# Altium PCB PCBDesign.PcbDoc (part 8 of 8)
Units mm, origin at the board's own origin, x right, y up, seen from the top; angles counter-clockwise.
Board outline 95 x 70 mm, 10 copper layers (L1 (Sig), L2 (GND), L3 (Sig), L4 (GND), L5 (Sig), L6 (GND), L7 (Sig), L8 (GND), L9 (PWR), L10 (Sig)), stack 1.566 mm thick; 290 components, 365 nets, 1923 pads, 1420 vias.
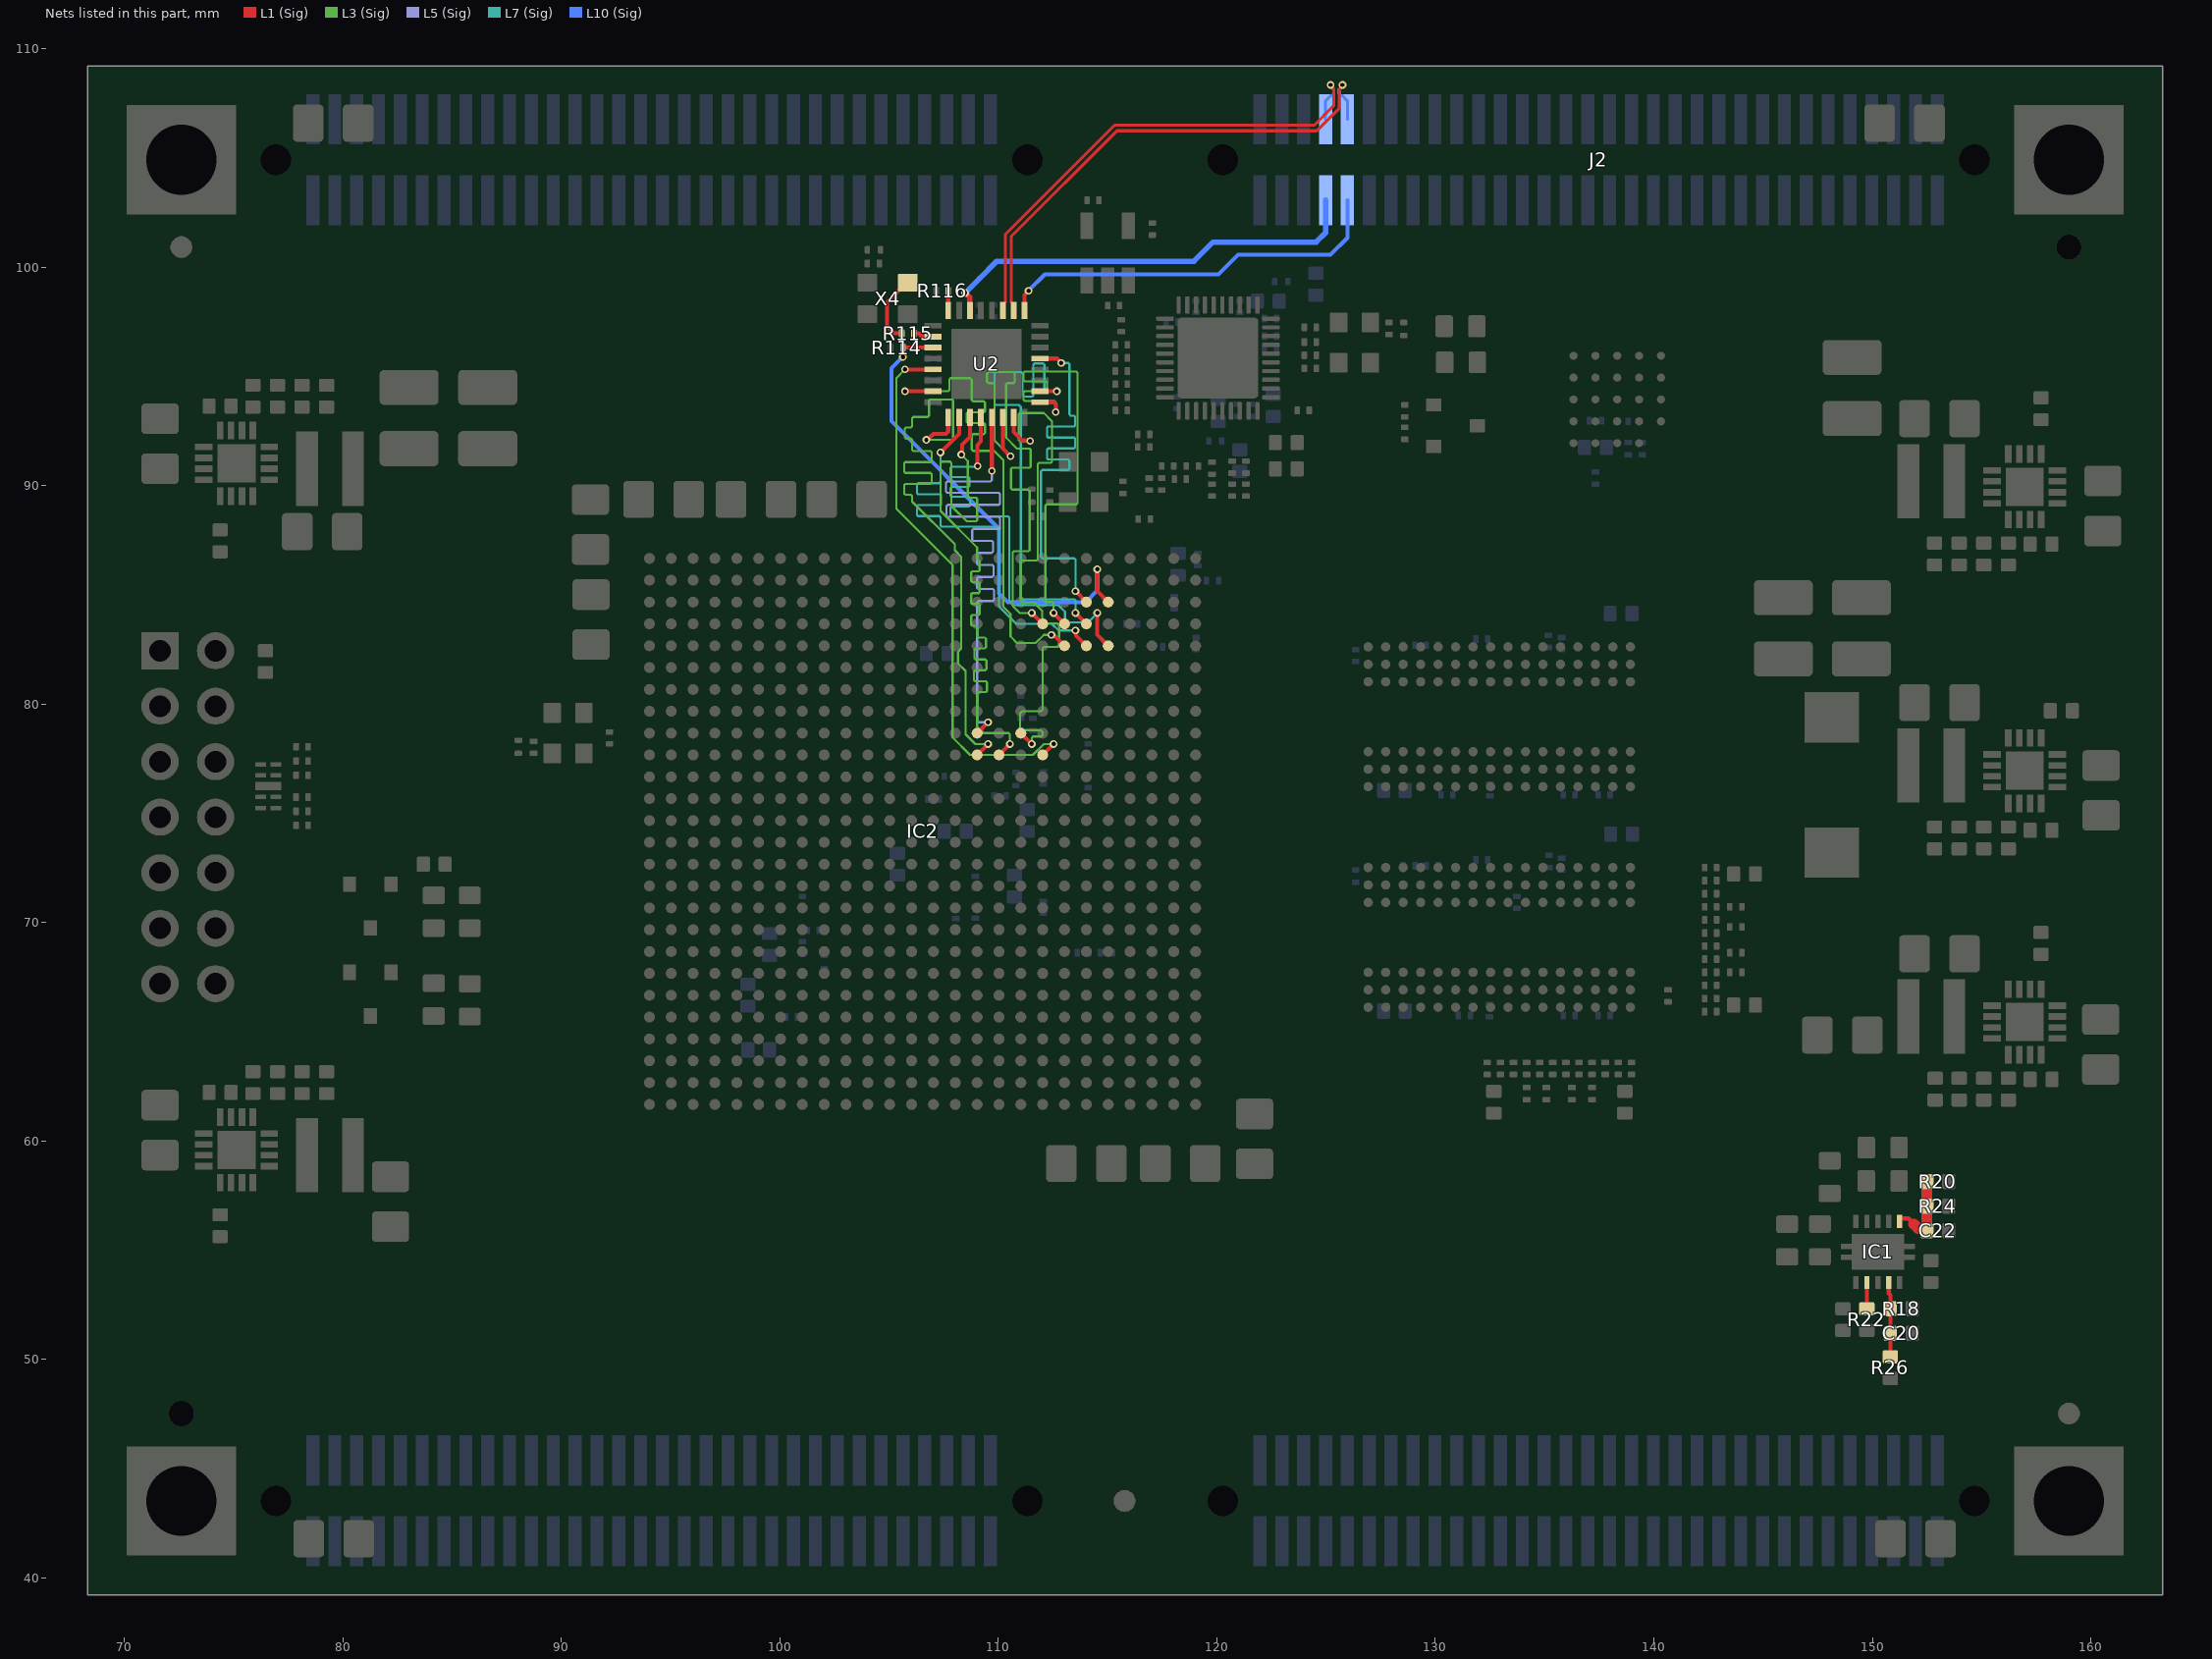
[diagram p16: the nets of this part, all layers, seen from the top]

## Via types
v1: diameter 0.35, hole 0.2, L1 (Sig) to L10 (Sig), tented both sides, 1046 vias
v2: diameter 0.45, hole 0.2, L1 (Sig) to L10 (Sig), tented both sides, 216 vias
v3: diameter 0.6, hole 0.3, L1 (Sig) to L10 (Sig), tented both sides, 95 vias
v4: diameter 0.8, hole 0.4, L1 (Sig) to L10 (Sig), tented both sides, 41 vias
v5: diameter 0.45, hole 0.3, L1 (Sig) to L10 (Sig), tented both sides, 22 vias

## Nets (pads, with @x,y where several pads share a name; then routed paths per layer and width w, separated by ;. In a path a pad name is that pad's centre, name@x,y a point inside that pad or via, vN(x,y) a via of type N, cw(c..) or ccw(c..) an arc to the next point about the centre after c; other vN are vias at no path point) (continued)
USB_CLK: IC2.K16 U2.1 | length 30.2
  L1 (Sig) w0.185: v1(106.7,92.1) 106.745,92.1 107.026,92.382 107.592,92.382 107.7,92.49 U2.1@107.7,93.125 ; IC2.K16@109.025,77.675 v1(109.525,78.175)
  L3 (Sig) w0.1: v1(106.7,92.1) 107.866,92.1 107.925,92.159 107.925,93.891 107.866,93.95 106.884,93.95 106.825,93.891 106.825,93.209 106.766,93.15 106.109,93.15 106.05,93.091 106.05,92.959 106.05,92.72 105.991,92.661 105.761,92.661 105.711,92.611 105.711,92.211 105.761,92.161 105.991,92.161 106.05,92.103 106.05,92.053 106.05,91.85 106.05,91.642 106.109,91.584 106.894,91.584 106.944,91.534 106.944,91.134 106.894,91.084 105.74,91.084 105.69,91.034 105.69,90.634 105.74,90.584 106.894,90.584 106.944,90.534 106.944,90.134 106.894,90.084 105.74,90.084 105.69,90.034 105.69,89.634 105.74,89.584 105.991,89.584 106.05,89.525 106.05,89.475 106.05,89.275 108,87.325 108,87.05 108.3,86.75 108.3,82.55 108.15,82.4 108.15,81.875 108.5,81.525 108.5,78.625 108.95,78.175 v1(109.525,78.175)
USB_CPEN: J2.55 U2.17 | length 18.3
  L1 (Sig) w0.185: U2.17@111.2,98.025 111.2,98.734 111.375,98.909 v1(111.375,98.925)
  L10 (Sig) w0.185: v1(111.375,98.925) 112.125,99.675 120.075,99.675 120.975,100.575 125.2,100.575 125.975,101.35 J2.55@125.975,103.075
USB_DATA0: IC2.K17 U2.3 | length 29.5
  L1 (Sig) w0.185: v1(108.3,91.425) 108.332,91.457 108.332,91.876 108.7,92.245 U2.3@108.7,93.125 ; IC2.K17@110.025,77.675 v1(110.525,78.175)
  L3 (Sig) w0.1: v1(108.3,91.425) 108.6,91.125 108.6,89.509 108.659,89.45 108.966,89.45 109.025,89.391 109.025,88.434 108.966,88.375 108.55,88.375 107.85,89.075 107.85,91.041 107.791,91.1 107.409,91.1 107.35,91.041 107.35,88.85 109.025,87.175 109.025,87.125 109.025,86.642 109.084,86.584 109.093,86.584 109.143,86.534 109.143,86.134 109.093,86.084 108.803,86.084 108.753,86.034 108.753,85.634 108.803,85.584 109.093,85.584 109.143,85.534 109.143,85.134 109.093,85.084 108.803,85.084 108.753,85.034 108.753,84.634 108.803,84.584 109.093,84.584 109.143,84.534 109.143,84.134 109.093,84.084 108.803,84.084 108.753,84.034 108.753,83.634 108.803,83.584 108.966,83.584 109.025,83.525 109.025,83.475 109.025,83.109 109.084,83.05 109.366,83.05 109.425,82.991 109.425,82.609 109.366,82.55 108.959,82.55 108.9,82.491 108.9,82.109 108.959,82.05 109.391,82.05 109.45,81.991 109.45,81.609 109.391,81.55 108.934,81.55 108.875,81.491 108.875,81.109 108.934,81.05 109.416,81.05 109.475,80.991 109.475,80.609 109.416,80.55 109.084,80.55 109.025,80.491 109.025,78.975 109.325,78.675 110.466,78.675 110.525,78.616 v1(110.525,78.175)
USB_DATA1: IC2.E22 U2.4 | length 22.1
  L1 (Sig) w0.185: v1(109.05,90.9) 109.032,90.918 109.032,91.864 109.2,92.033 U2.4@109.2,93.125 ; v1(114.525,84.175) 114.525,83.175 IC2.E22@115.025,82.675
  L7 (Sig) w0.1: v1(109.05,90.9) 109.023,90.873 107.859,90.873 107.8,90.814 107.8,90.459 107.859,90.4 108.616,90.4 108.675,90.341 108.675,90.009 108.616,89.95 107.859,89.95 107.8,89.891 107.8,89.559 107.859,89.5 108.641,89.5 108.7,89.441 108.7,89.109 108.641,89.05 107.859,89.05 107.8,88.991 107.8,88.659 107.859,88.6 110.441,88.6 110.5,88.541 110.5,84.7 110.673,84.527 112.748,84.527 113.05,84.225 113.05,83.875 113.175,83.75 114.1,83.75 v1(114.525,84.175)
USB_DATA2: IC2.J16 U2.5 | length 29.8
  L1 (Sig) w0.185: IC2.J16@109.025,78.675 v1(109.525,79.175) ; v1(109.7,90.675) U2.5@109.7,93.125
  L5 (Sig) w0.1: v1(109.525,79.175) 109.084,79.175 109.025,79.234 109.025,84.666 109.084,84.725 109.741,84.725 109.8,84.784 109.8,85.216 109.741,85.275 109.084,85.275 109.025,85.334 109.025,85.766 109.084,85.825 109.716,85.825 109.775,85.884 109.775,86.316 109.716,86.375 109.084,86.375 109.025,86.434 109.025,86.866 109.084,86.925 109.691,86.925 109.75,86.984 109.75,87.416 109.691,87.475 108.859,87.475 108.8,87.534 108.8,87.966 108.809,87.975 108.859,88.025 110.016,88.025 110.075,88.084 110.075,88.516 110.016,88.575 107.684,88.575 107.625,88.634 107.625,89.066 107.684,89.125 110.016,89.125 110.075,89.184 110.075,89.616 110.016,89.675 107.659,89.675 107.6,89.734 107.6,90.141 107.659,90.2 109.641,90.2 109.7,90.259 v1(109.7,90.675)
USB_DATA3: IC2.D19 U2.6 | length 23.4
  L1 (Sig) w0.185: U2.6@110.2,93.125 110.2,91.7 v1(110.55,91.35) ; v1(111.525,84.175) IC2.D19@112.025,83.675
  L3 (Sig) w0.1: v1(110.55,91.35) 109.825,92.075 109.825,94.641 109.766,94.7 109.534,94.7 109.475,94.759 109.475,95.141 109.534,95.2 110.691,95.2 110.75,95.141 110.75,94.759 110.691,94.7 110.409,94.7 110.35,94.641 110.35,92.2 110.85,91.7 111.416,91.7 111.475,91.641 111.475,90.884 111.416,90.825 110.634,90.825 110.575,90.766 110.575,89.884 110.634,89.825 111.366,89.825 111.425,89.766 111.425,87.059 111.366,87 110.709,87 110.65,86.941 110.65,84.5 110.975,84.175 v1(111.525,84.175)
USB_DATA4: IC2.J18 U2.7 | length 26.1
  L1 (Sig) w0.185: U2.7@110.7,93.125 110.7,92.458 111.075,92.084 111.418,92.084 v1(111.45,92.052) ; IC2.J18@111.025,78.675 v1(111.525,78.175)
  L3 (Sig) w0.1: v1(111.45,92.052) 111.448,92.05 110.984,92.05 110.925,92.109 110.925,93.266 110.984,93.325 112.075,93.325 112.45,92.95 112.45,91.109 112.391,91.05 111.859,91.05 111.8,90.991 111.8,87.975 111.8,86.634 111.741,86.575 111.084,86.575 111.025,86.516 111.025,84.709 111.084,84.65 111.625,84.65 112,84.275 112,83.759 112.059,83.7 112.675,83.7 112.777,83.598 112.777,82.702 112.7,82.625 112.084,82.625 112.025,82.566 112.025,79.898 112.025,79.759 111.939,79.673 111.082,79.673 110.996,79.587 110.996,78.897 111.082,78.811 111.939,78.811 112.025,78.725 112.025,78.675 112.025,78.584 111.966,78.525 111.584,78.525 111.525,78.466 v1(111.525,78.175)
USB_DATA5: IC2.D20 U2.9 | length 22.3
  L1 (Sig) w0.185: U2.9@111.9,93.825 112.517,93.825 112.625,93.717 v1(112.625,93.375) ; v1(112.525,84.175) IC2.D20@113.025,83.675
  L3 (Sig) w0.1: v1(112.525,84.175) 112.525,84.616 112.466,84.675 112.209,84.675 112.15,84.734 112.15,89.091 112.209,89.15 113.566,89.15 113.625,89.209 113.625,95.166 113.566,95.225 111.209,95.225 111.15,95.166 111.15,94.834 111.209,94.775 112.166,94.775 112.225,94.716 112.225,94.384 112.166,94.325 111.209,94.325 111.15,94.266 111.15,93.934 111.209,93.875 112.566,93.875 112.625,93.816 v1(112.625,93.375)
USB_DATA6: IC2.D21 U2.10 | length 22.6
  L1 (Sig) w0.185: U2.10@111.9,94.325 v1(112.675,94.325) ; v1(113.525,84.175) IC2.D21@114.025,83.675
  L7 (Sig) w0.1: v1(112.675,94.325) 112.159,94.325 112.1,94.384 112.1,95.541 112.041,95.6 111.659,95.6 111.6,95.541 111.6,94.134 111.541,94.075 111.159,94.075 111.1,94.134 111.1,95.141 111.041,95.2 109.884,95.2 109.825,95.141 109.825,93.759 109.884,93.7 110.925,93.7 111.025,93.6 111.025,84.859 111.084,84.8 113.466,84.8 113.525,84.741 v1(113.525,84.175)
USB_DATA7: IC2.C21 U2.13 | length 20.1
  L1 (Sig) w0.185: U2.13@111.9,95.825 112.675,95.825 v1(112.875,95.625) ; v1(113.525,85.175) IC2.C21@114.025,84.675
  L7 (Sig) w0.1: v1(112.875,95.625) 113.191,95.625 113.25,95.566 113.25,93.337 113.25,93.267 113.309,93.209 113.455,93.209 113.505,93.159 113.505,92.759 113.455,92.709 112.272,92.709 112.222,92.659 112.222,92.259 112.272,92.209 113.455,92.209 113.505,92.159 113.505,91.759 113.455,91.709 112.272,91.709 112.222,91.659 112.222,91.259 112.272,91.209 113.191,91.209 113.25,91.15 113.25,91.1 113.25,90.784 113.191,90.725 112.009,90.725 111.95,90.666 111.95,86.734 112.009,86.675 113.466,86.675 113.525,86.616 v1(113.525,85.175)
USB_DIR: IC2.E20 U2.31 | length 23.5
  L1 (Sig) w0.185: v1(105.725,94.325) U2.31@107,94.325 ; v1(112.425,83.175) 112.457,83.143 112.557,83.143 IC2.E20@113.025,82.675
  L3 (Sig) w0.1: v1(105.725,94.325) 107.691,94.325 107.75,94.384 107.75,94.866 107.809,94.925 108.716,94.925 108.775,94.866 108.775,93.975 108.775,93.925 108.834,93.866 109.334,93.866 109.384,93.816 109.384,93.416 109.334,93.366 108.605,93.366 108.555,93.316 108.555,92.916 108.605,92.866 109.334,92.866 109.384,92.816 109.384,92.416 109.334,92.366 108.834,92.366 108.775,92.308 108.775,92.1 108.775,91.659 108.834,91.6 109.8,91.6 110.225,91.175 110.225,84.45 110.55,84.125 110.55,83.1 110.85,82.8 111.7,82.8 112.075,83.175 v1(112.425,83.175)
USB_HS_CK_OUT: R115.1 X4.3 | length 3.2
  L1 (Sig) w0.185: R115.1@105.575,96.975 105.225,96.975 104.9,97.3 104.9,98.4 105.8,99.3 X4.3@105.85,99.3
USB_HS_D_N: J2.58 U2.19 | length 23.8
  L1 (Sig) w0.14: U2.19@110.2,98.025 110.2,98.295 110.32,98.415 110.32,101.513 115.317,106.51 124.46,106.51 125.345,107.395 125.345,108.163 125.2,108.308 v1(125.2,108.35)
  L10 (Sig) w0.14: J2.58@124.975,106.775 124.975,107.625 125.205,107.855 125.263,107.855 125.345,107.937 125.345,108.163 125.2,108.308 v1(125.2,108.35)
USB_HS_D_P: J2.56 U2.18 | length 23.8
  L1 (Sig) w0.14: U2.18@110.7,98.025 110.7,98.295 110.58,98.415 110.58,101.405 115.425,106.25 124.568,106.25 125.605,107.287 125.605,108.163 125.75,108.308 v1(125.75,108.35)
  L10 (Sig) w0.14: v1(125.75,108.35) 125.75,108.308 125.605,108.163 125.605,107.937 125.687,107.855 125.745,107.855 125.975,107.625 J2.56@125.975,106.775
USB_NRST: IC2.C22 R114.2 U2.27 | length 22.4
  L1 (Sig) w0.185: v1(105.625,95.9) R114.2@105.625,96.325 U2.27@107,96.325 ; v1(114.525,86.175) 114.525,85.175 IC2.C22@115.025,84.675
  L10 (Sig) w0.185: v1(105.625,95.9) 105.1,95.375 105.1,92.95 110.025,88.025 110.025,85.075 110.425,84.675 114,84.675 114.525,85.2 v1(114.525,86.175)
USB_NXT: IC2.E21 U2.2 | length 20.6
  L1 (Sig) w0.185: v1(107.35,91.525) 108.2,92.375 U2.2@108.2,93.125 ; v1(113.525,83.375) 113.557,83.343 113.557,83.143 IC2.E21@114.025,82.675
  L7 (Sig) w0.1: v1(107.35,91.525) 107.35,90.35 107.35,90.169 107.291,90.11 106.322,90.11 106.272,90.06 106.272,89.66 106.322,89.61 107.324,89.61 107.374,89.56 107.374,89.16 107.324,89.11 106.322,89.11 106.272,89.06 106.272,88.66 106.322,88.61 107.291,88.61 107.35,88.552 107.35,88.502 107.35,88.184 107.409,88.125 109.966,88.125 110.025,88.066 110.025,87.975 110.025,84.475 110.825,83.675 112.45,83.675 112.75,83.375 v1(113.525,83.375)
USB_PHY_RBIAS: R116.2 U2.24 | length 0.9
  L1 (Sig) w0.185: U2.24@107.7,98.025 R116.2@107.7,98.925
USB_PHY_VBUS: J2.57 U2.22 | length 20
  L1 (Sig) w0.25: v1(108.475,98.825) 108.499,98.825 108.695,98.629 108.695,98.03 U2.22@108.7,98.025
  L10 (Sig) w0.25: v1(108.475,98.825) 109.15,99.5 109.925,100.275 118.95,100.275 119.825,101.15 124.55,101.15 124.975,101.575 J2.57@124.975,103.075
USB_REFCLK_13M: R115.2 U2.26 | length 0.9
  L1 (Sig) w0.185: R115.2@106.125,96.975 106.35,96.975 106.475,96.85 106.975,96.85 U2.26@107,96.825
USB_STP: IC2.K19 U2.29 | length 25.2
  L1 (Sig) w0.185: v1(105.725,95.325) U2.29@107,95.325 ; IC2.K19@112.025,77.675 v1(112.525,78.175)
  L3 (Sig) w0.1: v1(105.725,95.325) 105.325,94.925 105.325,88.95 106.3,87.975 107.9,86.375 107.9,78.475 108.7,77.675 111.575,77.675 112.075,78.175 v1(112.525,78.175)
VTT_DIVID: C22.2 IC1.1 R20.1 R24.2 | length 3.9
  L1 (Sig) w0.2: IC1.1@151.25,56.325 151.25,56.43 151.27,56.45 151.65,56.45 151.9,56.2
  L1 (Sig) w0.5: 151.9,56.2 152.1,56 152.45,56 C22.2@152.5,55.95 ; R20.1@152.5,58.15 R24.2@152.5,57.025 C22.2@152.5,55.95 ; C22.2@152.5,55.95 C22.2@152.5,55.9 C22.2@152.5,55.95
VTT_EN: IC1.7 R22.2 | length 1.2
  L1 (Sig) w0.185: R22.2@149.75,52.325 IC1.7@149.75,53.525
VTT_PG: C20.2 IC1.9 R18.1 R26.2 | length 3.1
  L1 (Sig) w0.185: IC1.9@150.75,53.525 150.75,53.025 150.825,52.95 R18.1@150.825,52.325 C20.2@150.825,51.2 150.825,50.45
pads on no net: B1.9 B2.9 B3.9 B4.9 B5.9 IC2.A5 IC2.A12 IC2.A13 IC2.A14 IC2.A15 IC2.A17 IC2.A18 IC2.A23 IC2.A25 IC2.AA5 IC2.AA6 IC2.AA15 IC2.AA19 IC2.AA20 IC2.AA22 IC2.AA23 IC2.AA24 IC2.AA25 IC2.AB10 IC2.AB20 IC2.AB21 IC2.AB22 IC2.AB24 IC2.AB25 IC2.AB26 IC2.AC1 IC2.AC2 IC2.AC5 IC2.AC6 IC2.AC21 IC2.AC22 IC2.AC23 IC2.AC24 IC2.AC26 IC2.AD3 IC2.AD4 IC2.AD7 IC2.AD8 IC2.AD10 IC2.AE1 IC2.AE2 IC2.AE5 IC2.AE6 IC2.AF3 IC2.AF4 IC2.AF7 IC2.AF8 IC2.B6 IC2.B12 IC2.B14 IC2.B15 IC2.B16 IC2.B17 IC2.B19 IC2.B20 IC2.B21 IC2.B22 IC2.B25 IC2.B26 IC2.C12 IC2.C14 IC2.C16 IC2.C17 IC2.C18 IC2.C24 IC2.D3 IC2.D4 IC2.D10 IC2.D11 IC2.D14 IC2.D15 IC2.D16 IC2.D18 IC2.D23 IC2.D24 IC2.E7 IC2.E10 IC2.E11 IC2.E12 IC2.E13 IC2.E15 IC2.E16 IC2.E17 IC2.E18 IC2.F4 IC2.F8 IC2.F10 IC2.F12 IC2.F13 IC2.F14 IC2.F15 IC2.G1 IC2.G4 IC2.G5 IC2.G6 IC2.G10 IC2.G11 IC2.G12 IC2.G14 IC2.G15 IC2.G16 IC2.H1 IC2.H2 IC2.H3 IC2.H4 IC2.H6 IC2.H7 IC2.H8 IC2.H11 IC2.H12 IC2.H13 IC2.H14 IC2.H16 IC2.J1 IC2.J3 IC2.J5 IC2.J6 IC2.J8 IC2.J9 IC2.J10 IC2.J11 IC2.J13 IC2.J14 IC2.J15 IC2.K1 IC2.K2 IC2.K3 IC2.K5 IC2.K6 IC2.K7 IC2.K8 IC2.K10 IC2.K11 IC2.K12 IC2.K13 IC2.K15 IC2.L2 IC2.L3 IC2.L4 IC2.L5 IC2.L7 IC2.L8 IC2.L9 IC2.M1 IC2.M2 IC2.M4 IC2.M5 IC2.M6 IC2.M7 IC2.M8 IC2.N1 IC2.N2 IC2.N3 IC2.N4 IC2.N6 IC2.N7 IC2.N8 IC2.V18 IC2.V19 IC2.W5 IC2.W6 IC2.W13 IC2.W14 IC2.W15 IC2.W16 IC2.W18 IC2.W19 IC2.W20 IC2.Y15 IC2.Y16 IC2.Y17 IC2.Y18 IC2.Y20 IC3.A2 IC3.A3 IC3.A5 IC3.B1 IC3.B5 IC3.C1 IC3.C3 IC3.C5 IC3.D1 IC3.D5 IC3.E1 IC3.E2 IC3.E3 IC3.E4 IC3.E5 IC4.1 IC5.J1 IC5.J9 IC5.L1 IC5.L9 IC5.M7 IC6.J1 IC6.J9 IC6.L1 IC6.L9 IC6.M7 J1.12 J1.14 J2.9 J2.10 J2.11 J2.12 J2.13 J2.14 J2.15 J2.16 J2.17 J2.18 J2.19 J2.20 J2.21 J2.22 J2.23 J2.24 J2.25 J2.26 J2.27 J2.28 J2.29 J2.MH1 J2.MH2 J3.53 J3.55 J3.57 J3.MH1 J3.MH2 J4.MH1 J4.MH2 J5.MH1 J5.MH2 U2.12 U2.15 U2.16 U2.23 U2.25

## Polygon pours and split planes (outlines as drawn)
+3V3 on L9 (PWR) "+3V3_L09_P090" (solid, remove dead copper, pour order 90): 127.75,89.225 125.725,87.2 122.75,87.2 118.625,83.075 116.175,83.075 115.4,83.85 115.4,88.7 115.675,88.975 117.15,88.975 118.6,87.525 121.775,87.525 123.075,88.825 123.075,91.575 122.525,92.125 121.7,92.125 121.575,92.25 121.575,92.625 121.675,92.725 122.525,92.725 123.75,91.5 123.75,90.45 124.075,90.125 125.575,90.125 129.075,93.625 129.075,97.15 127.9,98.325 125.3,98.325 125.05,98.575 125.05,99.6 124.475,100.175 123,100.175 122.375,100.8 113.55,100.8 111.1,98.35 107.975,98.35 107.525,98.8 107.525,101.125 107.825,101.425 111.6,101.425 113.1,102.925 113.1,105.275 113.3,105.475 118.05,105.475 118.225,105.3 118.225,103.15 119.825,101.55 126.875,101.55 130.25,98.175 142.45,98.175 148.275,92.35 155.2,92.35 155.55,92 155.55,89.25 156.275,88.525 158.4,88.525 158.65,88.275 158.65,53.075 152.6,47.025 85.7,47.025 78.05,54.675 78.05,61.2 79.825,62.975 79.825,64.85 76.9,67.775 76.9,83.2 77.4,83.7 82.95,83.7 85.15,81.5 85.15,75.7 86.7,74.15 86.7,64.425 83.825,61.55 81.025,61.55 80.375,60.9 80.375,57.85 81.075,57.15 99.075,57.15 100.375,58.45 100.375,61.925 100.6,62.15 101.75,62.15 102,62.4 102,67.95 101.775,68.175 100.775,68.175 100.1,68.85 100.1,71.146 100.354,71.4 101.55,71.4 101.75,71.2 101.75,69.8 102.15,69.4 107.425,69.4 107.775,69.05 108.425,68.4 112.05,68.4 113.7,66.75 120.05,66.75 130.425,56.375 140.825,56.375 145.375,51.825 151.75,51.825 152.175,52.25 152.175,53.5 152.5,53.825 154.075,53.825 156,55.75 156,62.25 153.625,64.625 153.625,69.25 152.425,70.45 152.425,85.975 150.975,87.425 149.525,87.425 147.725,89.225
+1V35DDR on L9 (PWR) "+1V35DDR_L09_P084" (solid, pour order 84): 148,62.625 151.875,58.75 153.85,58.75 155.4,60.3 155.4,62 153.025,64.375 153.025,68.9 152.5,69.425 146.8,69.425 143.05,73.175 143.05,80.375 139.725,83.7 125.5,83.7 122.175,80.375 116.475,80.375 113.275,77.175 113.275,68.15 113.925,67.5 120.325,67.5 125.2,62.625
+5V0 on L9 (PWR) "+5V0_L09_P082" (solid, pour order 82): 111.35,101.925 112.6,103.175 112.6,105.45 113.125,105.975 118.2,105.975 118.725,105.45 118.725,103.176 119.83,102.05 152.05,102.05 159.15,94.95 159.15,52.75 154.975,48.575 152.925,46.525 81.25,46.525 78.275,49.5 72.5,55.275 72.5,64.85 72.1,65.25 68.6,65.25 68.6,46.325 75.4,46.325 75.4,39.525 156.2,39.525 156.2,46.325 163,46.325 163,102.125 156.2,102.125 156.2,102.625 156.2,103.925 156.2,108.925 75.4,108.925 75.4,102.125 68.6,102.125 68.6,85.525 72.05,85.525 72.5,85.975 72.5,93.675 80.75,101.925
GND on L9 (PWR) "GND_L09_P099" (solid, pour order 99): 73,55.5 73,65.075 72.225,65.85 68.6,65.85 68.6,85.025 72.4,85.025 73,85.625 73,93.4 75.325,95.725 76,95.725 76.125,95.6 76.125,91 80.575,86.55 87.925,86.55 89.125,85.35 89.125,81.175 87.175,79.225 87.175,76.425 92.3,71.3 92.3,70.025 88.075,65.8 87.425,65.8 87.2,66.025 87.2,74.35 85.65,75.9 85.65,81.75 83.2,84.2 77.15,84.2 76.4,83.45 76.4,67.6 79.425,64.575 79.425,63.5 77.55,61.625 77.55,54.5 84.225,47.825 84.225,47.125 84.125,47.025 81.475,47.025
GND on L9 (PWR) "GND_L09_P104" (solid, pour order 104): 107.525,94.4 108.125,93.8 110.975,93.8 111.525,94.35 111.525,96.825 112.25,97.55 113.975,97.55 114.3,97.875 114.3,99.425 114.775,99.9 114.775,100.375 114.575,100.575 113.9,100.575 111.175,97.85 107.875,97.85 107.525,97.5
GND on L9 (PWR) "GND_L09_P103" (solid, pour order 103): 118.725,97.3 118.575,97.15 118.575,94.65 118.775,94.45 121.35,94.45 121.525,94.625 121.525,97.125 121.35,97.3
GND on L9 (PWR) "GND_L09_P102" (solid, pour order 102): 127.75,97.825 128.575,97 128.575,93.8 125.4,90.625 125.275,90.625 125.15,90.75 125.15,92.9 125.575,93.325 125.575,97.775 125.625,97.825
GND on L9 (PWR) "GND_L09_P101" (solid, pour order 101): 130.8,56.875 126.95,60.725 126.95,61.875 126.975,61.875 127.225,62.125 147.75,62.125 151.625,58.25 154.1,58.25 154.975,59.125 155.325,59.125 155.5,58.95 155.5,55.975 153.85,54.325 152.25,54.325 151.675,53.75 151.675,52.7 151.3,52.325 145.725,52.325 141.175,56.875 137.125,56.875
GND on L9 (PWR) "GND_L09_P100" (solid, pour order 100): 126.75,87.2 126.7,87.25 126.7,87.525 127.9,88.725 147.45,88.725 149.25,86.925 150.625,86.925 151.925,85.625 151.925,83.05 151.775,82.9 151.275,82.9 150.8,83.375 147.3,83.375 143.475,87.2 127.825,87.2
GND on L9 (PWR) "GND_L09_P098" (solid, pour order 98): 156.5,39.525 163,39.525 163,46.025 156.5,46.025
GND on L9 (PWR) "GND_L09_P097" (solid, pour order 97): 75.1,108.925 68.6,108.925 68.6,102.425 75.1,102.425
GND on L9 (PWR) "GND_L09_P096" (solid, pour order 96): 163,102.425 163,108.925 156.5,108.925 156.5,102.425
GND on L9 (PWR) "GND_L09_P095" (solid, pour order 95): 68.6,46.025 68.6,39.525 75.1,39.525 75.1,46.025
GND on L9 (PWR) "GND_L09_P094" (solid, pour order 94): 156.1,92.1 156.1,89.225 156.3,89.025 158.5,89.025 158.65,89.175 158.65,94.75 151.85,101.55 127.85,101.55 127.8,101.5 127.8,101.2 130.325,98.675 142.725,98.675 148.55,92.85 155.35,92.85
+1V0ETH on L9 (PWR) "+1V0ETH_L09_P088" (solid, pour order 88): 124.65,92.075 124.4,92.325 124.225,92.325 122.65,93.9 122.65,96.125 122.95,96.425 123.65,96.425 123.75,96.525 123.75,97.125 123.55,97.325 122.275,97.325 122.025,97.075 122.025,94.225 121.75,93.95 118.25,93.95 118.075,94.125 118.075,96.475 116.925,97.625 116.925,98.3 117.2,98.575 121.15,98.575 121.225,98.65 121.225,99.275 120.9,99.6 117,99.6 116.475,99.075 116.475,96.525 116.9,96.1 116.9,93.675 117.625,92.95 122.6,92.95 124.075,91.475 124.075,90.7 124.225,90.55 124.525,90.55 124.65,90.675
+1V8ETH on L9 (PWR) "+1V8ETH_L09_P089" (solid, pour order 89): 117.725,90.45 117.725,89.725 117.825,89.625 118.55,89.625 119.475,88.7 120.65,88.7 121.225,89.275 121.225,92.625 121.15,92.7 120.925,92.7 120.775,92.55 117.45,92.55 116.6,93.4 116.6,95.8 116.15,96.25 116.15,99.175 116.8,99.825 121.15,99.825 121.775,99.2 123.425,99.2 124.05,98.575 124.05,96.175 123.975,96.1 123.725,96.1 123.35,95.725 123.35,93.625 123.75,93.225 124.875,93.225 125.075,93.425 125.075,98.05 124.6,98.525 124.6,99.575 124.325,99.85 122.875,99.85 122.25,100.475 115.875,100.475 114.75,99.35 114.75,93.425
+1V8 on L9 (PWR) "+1V8_L09_P092" (solid, remove dead copper, pour order 92): 88.175,87.05 89.625,85.6 89.625,80.95 87.675,79 87.675,76.6 92.15,72.125 96.35,72.125 96.775,72.55 96.775,73.3 97.175,73.7 99.05,73.7 99.975,72.775 99.975,72 99.65,71.675 99.4,71.675 99.275,71.55 99.275,69.8 99.4,69.675 99.675,69.675 99.85,69.85 99.85,71.2 100.3,71.65 101.6,71.65 102,71.25 102,70.125 102.525,69.6 107.7,69.6 108.575,68.725 112.35,68.725 112.925,69.3 112.925,76.775 112.3,77.4 111.225,77.4 110.925,77.1 110.925,75.425 111.625,74.725 111.625,73.675 111.275,73.325 111.275,70.35 110.5,69.575 109.25,69.575 108.4,70.425 103,70.425 102.775,70.65 102.775,77.9 103.775,78.9 106.525,78.9 108.625,81 113.7,81 114.975,82.275 114.975,88.825 115.475,89.325 117.35,89.325 118.9,87.775 121.55,87.775 122.675,88.9 122.675,91.2 121.975,91.9 121.625,91.9 121.45,91.725 121.45,88.975 120.925,88.45 119.275,88.45 118.4,89.325 117.825,89.325 117.275,89.875 117.275,90.45 114.075,93.65 114.075,96.775 113.8,97.05 112.45,97.05 112.025,96.625 112.025,94.05 111.275,93.3 107.725,93.3 107.025,94 107.025,101.15 106.75,101.425 81.15,101.425 76.625,96.9 76.625,91.475 81.05,87.05
+3V3ETH on L9 (PWR) "+3V3ETH_L09_P087" (solid, pour order 87): 123.425,97.875 123.25,98.05 121.975,98.05 121.725,97.8 117.25,97.8 117.15,97.9 117.15,98.2 117.25,98.3 121.25,98.3 121.8,98.85 123.375,98.85 123.775,98.45 123.775,97.975 123.675,97.875
+1V0 on L9 (PWR) "+1V0_L09_P085" (solid, pour order 85): 116.225,80.6 113.25,77.625 110.775,77.625 110.55,77.4 110.55,75.075 110.95,74.675 110.95,70.65 110.2,69.9 109.375,69.9 108.575,70.7 103.3,70.7 103.05,70.95 103.05,77.425 104.125,78.5 106.75,78.5 109.025,80.775 113.825,80.775 115.9,82.85 118.925,82.85 122.775,86.7 143.25,86.7 147.075,82.875 150.75,82.875 151.925,81.7 151.925,70.4 151.45,69.925 146.975,69.925 143.55,73.35 143.55,80.6 139.95,84.2 125.05,84.2 121.45,80.6
+1V2 on L9 (PWR) "+1V2_L09_P083" (solid, pour order 83): 98.275,57.65 99.925,59.3 99.925,62.075 99.725,62.275 98.35,62.275 98.2,62.425 98.2,63.9 98.35,64.05 99.15,64.05 99.875,64.775 99.875,65.325 99.55,65.65 97.25,65.65 97.05,65.85 97.05,66.575 97.7,67.225 97.7,69.4 96.775,70.325 96.775,71.65 96.575,71.85 94.85,71.85 88.75,65.75 84.05,61.05 81.15,61.05 80.875,60.775 80.875,57.925 81.15,57.65
+1V0MGT on L9 (PWR) "+1V0MGT_L09_P029" (solid, pour order 29): 97.2,73.35 97.1,73.25 97.1,70.375 97.95,69.525 97.95,67.05 97.325,66.425 97.325,66.075 97.5,65.9 99.65,65.9 100.125,65.425 100.125,64.6 99.225,63.7 98.975,63.7 98.875,63.6 98.875,62.7 99,62.575 101.6,62.575 101.75,62.725 101.75,67.525 101.475,67.8 100.075,67.8 99.375,68.5 99.375,69.275 99.05,69.6 99.05,71.825 99.175,71.95 99.625,71.95 99.75,72.075 99.75,72.575 98.975,73.35 97.6,73.35
GND on L1 (Sig) "GND_L01_P109" (solid, pour order 109): 75.1,39.525 68.6,39.525 68.6,46.025 75.1,46.025
+1V0ETH on L1 (Sig) "+1V0ETH_L01_P091" (solid, pour order 91): 124.4,90.425 124.65,90.675 124.65,92.075 124.4,92.325 123.45,92.325 123.375,92.25 123.375,90.525 123.475,90.425
+0V675 on L1 (Sig) "+0V675_L01_P086" (solid, pour order 86): 132.225,63.175 132.2,63.15 132.2,62.125 132.35,61.975 133.05,61.975 133.4,62.325 138,62.325 138.35,61.975 139.675,61.975 145.85,55.8 148.225,55.8 148.45,56.025 149.375,56.025 149.375,56.85 149.525,57 150,57 150.125,56.875 150.125,56.025 150.375,56.025 150.375,57.125 150.05,57.45 149.075,57.45 148.55,57.975 148.25,58.275 147.025,58.275 143.95,61.35 143.95,66.7 143.6,67.05 143.6,71.525 143.95,71.875 143.95,72.525 143.775,72.7 142.775,72.7 142.75,72.675 142.75,65 140.925,63.175 138.4,63.175
GND on L1 (Sig) "GND_L01_P078" (solid, pour order 78): 147.55,60.2 147.725,60.375 149.925,60.375 150.125,60.175 150.125,57.725 150.075,57.675 149.375,57.675 148.35,58.7 147.6,58.7 147.55,58.75
+1V35DDR on L1 (Sig) "+1V35DDR_L01_P079" (solid, pour order 79): 151.775,57.6 151.775,58.4 152.125,58.75 153.025,58.75 153.1,58.675 153.1,57.85 153.15,57.8 153.775,57.8 153.8,57.825 153.8,59.925 153.4,60.325 150.975,60.325 150.825,60.175 150.825,57.55 150.625,57.35 150.625,56.025 150.875,56.025 150.875,57.05 151.225,57.4 151.575,57.4
+3V3 on L1 (Sig) "+3V3_L01_P081" (solid, pour order 81): 153.625,51.975 153.8,52.15 153.8,53.725 153.7,53.825 151.125,53.825 151.125,53.225 151.525,52.825 151.525,52 151.55,51.975
GND on L1 (Sig) "GND_L01_P077" (solid, pour order 77): 85.375,93.7 85.275,93.8 85.275,96 85.525,96.25 87.725,96.25 87.975,96 87.975,93.825 87.85,93.7
GND on L1 (Sig) "GND_L01_P076" (solid, pour order 76): 81.775,93.7 81.675,93.8 81.675,96 81.925,96.25 84.125,96.25 84.375,96 84.375,93.825 84.25,93.7
GND on L1 (Sig) "GND_L01_P075" (solid, pour order 75): 144.675,84.075 144.575,84.175 144.575,86.375 144.825,86.625 147.025,86.625 147.275,86.375 147.275,84.2 147.15,84.075
GND on L1 (Sig) "GND_L01_P074" (solid, pour order 74): 148.25,84.075 148.15,84.175 148.15,86.375 148.4,86.625 150.6,86.625 150.85,86.375 150.85,84.2 150.725,84.075
GND on L1 (Sig) "GND_L01_P073" (solid, pour order 73): 147.825,95.075 147.725,95.175 147.725,97.375 147.975,97.625 150.175,97.625 150.425,97.375 150.425,95.2 150.3,95.075
GND on L1 (Sig) "GND_L01_P072" (solid, pour order 72): 79.975,105.775 80.375,105.375 80.375,104.75 80.5,104.625 80.8,104.625 80.875,104.7 80.875,105.625 81,105.75 81.375,105.75 81.4,105.775 81.4,107.375 81.3,107.475 80.025,107.475 79.975,107.425 79.975,107.05
+5V0 on L1 (Sig) "+5V0_L01_P071" (solid, pour order 71): 77.775,107.45 77.7,107.375 77.7,105.45 78.225,104.925 79.8,104.925 79.925,105.05 79.925,105.425 79.725,105.625 79.3,105.625 79.125,105.8 79.125,107.35 79.025,107.45
+5V0 on L1 (Sig) "+5V0_L01_P070" (solid, pour order 70): 79.15,42.675 79.375,42.9 79.825,42.9 79.925,43 79.925,44.025 79.8,44.15 78.375,44.15 78.325,44.1 78.325,42.9 78.075,42.65 77.825,42.65 77.725,42.55 77.725,41.05 77.825,40.95 79.05,40.95 79.15,41.05
GND on L1 (Sig) "GND_L01_P069" (solid, pour order 69): 80.375,42.8 80.225,42.65 80.1,42.65 80,42.55 80,41.025 80.075,40.95 81.325,40.95 81.425,41.05 81.425,42.625 81.225,42.825 81.075,42.825 80.875,43.025 80.875,43.675 80.8,43.75 80.45,43.75 80.375,43.675
+5V0 on L1 (Sig) "+5V0_L01_P068" (solid, pour order 68): 152.4,42.75 152.25,42.9 151.75,42.9 151.675,42.975 151.675,44.05 151.8,44.175 153.175,44.175 153.4,43.95 153.4,43.025 153.825,42.6 153.825,41.05 153.725,40.95 152.525,40.95 152.4,41.075
GND on L1 (Sig) "GND_L01_P067" (solid, pour order 67): 150.225,40.95 150.125,41.05 150.125,42.575 150.7,43.15 150.7,43.725 150.8,43.825 151.15,43.825 151.225,43.75 151.225,42.8 151.375,42.65 151.475,42.65 151.55,42.575 151.55,41.05 151.45,40.95
+5V0 on L1 (Sig) "+5V0_L01_P066" (solid, pour order 66): 151.925,105.725 151.675,105.475 150.825,105.475 150.75,105.4 150.75,104.475 150.85,104.375 153.1,104.375 153.325,104.6 153.325,107.35 153.225,107.45 152,107.45 151.925,107.375
GND on L1 (Sig) "GND_L01_P065" (solid, pour order 65): 149.625,104.775 149.75,104.65 150.25,104.65 150.375,104.775 150.375,105.65 150.475,105.75 150.975,105.75 151.05,105.825 151.05,107.325 150.925,107.45 149.725,107.45 149.625,107.35
GND on L1 (Sig) "GND_L01_P063" (solid, pour order 63): 146.9,70.8 147.075,70.625 150.3,70.625 150.625,70.95 150.625,74.15 150.425,74.35 146.9,74.35
+1V0 on L1 (Sig) "+1V0_L01_P062" (solid, pour order 62): 144.575,77.575 145.625,76.525 149.1,76.525 150.125,75.5 152.15,75.5 152.15,80.707 150.85,82.007 150.85,82.775 150.75,82.875 144.675,82.875 144.575,82.775
GND on L1 (Sig) "GND_L01_P061" (solid, pour order 61): 146.275,64 146.075,64.2 146.075,65.5 146.275,65.7 148.075,65.7 148.2,65.575 148.2,64.125 148.075,64
+1V35DDR on L1 (Sig) "+1V35DDR_L01_P060" (solid, pour order 60): 151.625,64 149.15,64 149.05,64.1 149.05,68.875 149.6,69.425 152.15,69.425 152.15,64
+3V3 on L1 (Sig) "+3V3_L01_P059" (solid, pour order 59): 151.65,88.5 148.45,88.5 147.725,89.225 147.725,93.775 147.875,93.925 152.35,93.925 152.625,93.65 152.625,92.7 152.15,92.225 152.15,88.5
GND on L1 (Sig) "GND_L01_P058" (solid, pour order 58): 155.425,69.425 155.625,69.225 155.625,67.925 155.425,67.725 153.625,67.725 153.5,67.85 153.5,69.3 153.625,69.425
GND on L1 (Sig) "GND_L01_P057" (solid, pour order 57): 155.425,80.925 155.625,80.725 155.625,79.425 155.425,79.225 153.625,79.225 153.5,79.35 153.5,80.8 153.625,80.925
GND on L1 (Sig) "GND_L01_P056" (solid, pour order 56): 155.425,93.925 155.625,93.725 155.625,92.425 155.425,92.225 153.625,92.225 153.5,92.35 153.5,93.8 153.625,93.925
GND on L1 (Sig) "GND_L01_P055" (solid, pour order 55): 76.7,87.05 76.5,87.25 76.5,88.55 76.7,88.75 78.5,88.75 78.625,88.625 78.625,87.175 78.5,87.05
B4_SW on L1 (Sig) "B4_SW_L01_P053" (solid, pour order 53): 155.875,65.55 154.625,65.55 154.25,65.175 154.25,64 153.25,64 153.25,67.4 154.25,67.4 154.25,66.725 154.625,66.35 155.875,66.35
B1_SW on L1 (Sig) "B1_SW_L01_P052" (solid, pour order 52): 155.875,77.05 154.625,77.05 154.25,76.675 154.25,75.5 153.25,75.5 153.25,78.9 154.25,78.9 154.25,78.225 154.625,77.85 155.875,77.85
B5_SW on L1 (Sig) "B5_SW_L01_P051" (solid, pour order 51): 155.875,90.05 154.625,90.05 154.25,89.675 154.25,88.5 153.25,88.5 153.25,91.9 154.25,91.9 154.25,91.225 154.625,90.85 155.875,90.85
GND on L1 (Sig) "GND_L01_P050" (solid, pour order 50): 157.325,67.925 157.375,67.875 157.375,67.375 157.375,66.325 157.85,66.325 157.85,64.575 156.1,64.575 156.1,66.325 156.575,66.325 156.575,67.875 156.625,67.925
GND on L1 (Sig) "GND_L01_P049" (solid, pour order 49): 157.325,79.425 157.375,79.375 157.375,78.875 157.375,77.825 157.85,77.825 157.85,76.075 156.1,76.075 156.1,77.825 156.575,77.825 156.575,79.375 156.625,79.425
GND on L1 (Sig) "GND_L01_P048" (solid, pour order 48): 157.325,92.425 157.375,92.375 157.375,91.875 157.375,90.825 157.85,90.825 157.85,89.075 156.1,89.075 156.1,90.825 156.575,90.825 156.575,92.375 156.625,92.425
GND on L1 (Sig) "GND_L01_P047" (solid, pour order 47): 162.2,87.214 162.275,87.289 162.275,88.564 162.2,88.639 159.775,88.639 159.675,88.539 159.675,87.339 159.8,87.214
GND on L1 (Sig) "GND_L01_P046" (solid, pour order 46): 162.125,74.189 162.2,74.264 162.2,75.539 162.125,75.614 159.7,75.614 159.6,75.514 159.6,74.314 159.725,74.189
GND on L1 (Sig) "GND_L01_P045" (solid, pour order 45): 162.1,62.564 162.175,62.639 162.175,63.914 162.1,63.989 159.675,63.989 159.575,63.889 159.575,62.689 159.7,62.564
+5V0 on L1 (Sig) "+5V0_L01_P044" (solid, pour order 44): 158.075,65.05 159.375,65.05 159.675,64.75 162.25,64.75 162.475,64.975 162.475,67.3 162.3,67.475 158.8,67.475 158.075,66.75 158.075,66.025
+5V0 on L1 (Sig) "+5V0_L01_P043" (solid, pour order 43): 158.075,76.55 159.375,76.55 159.675,76.25 162.25,76.25 162.475,76.475 162.475,78.8 162.3,78.975 158.8,78.975 158.075,78.25 158.075,77.525
+5V0 on L1 (Sig) "+5V0_L01_P042" (solid, pour order 42): 158.075,89.55 159.375,89.55 159.675,89.25 162.25,89.25 162.475,89.475 162.475,91.8 162.3,91.975 158.8,91.975 158.075,91.25 158.075,90.525
+1V8 on L1 (Sig) "+1V8_L01_P041" (solid, pour order 41): 79.95,87.05 86.425,87.05 87.975,88.6 87.975,92.375 87.85,92.5 79.95,92.5
B2_SW on L1 (Sig) "B2_SW_L01_P040" (solid, pour order 40): 76.225,90.925 77.475,90.925 77.85,91.3 77.85,92.475 78.85,92.475 78.85,89.075 77.85,89.075 77.85,89.75 77.475,90.125 76.225,90.125
GND on L1 (Sig) "GND_L01_P039" (solid, pour order 39): 74.775,88.55 74.725,88.6 74.725,89.1 74.725,90.15 74.25,90.15 74.25,91.9 76,91.9 76,90.15 75.525,90.15 75.525,88.6 75.475,88.55
GND on L1 (Sig) "GND_L01_P038" (solid, pour order 38): 69.975,93.786 69.9,93.711 69.9,92.436 69.975,92.361 72.4,92.361 72.5,92.461 72.5,93.661 72.375,93.786
+5V0 on L1 (Sig) "+5V0_L01_P037" (solid, pour order 37): 74.025,91.425 72.725,91.425 72.425,91.725 69.85,91.725 69.625,91.5 69.625,89.175 69.8,89 73.3,89 74.025,89.725 74.025,90.45
GND on L1 (Sig) "GND_L01_P036" (solid, pour order 36): 69.975,62.361 69.9,62.286 69.9,61.011 69.975,60.936 72.4,60.936 72.5,61.036 72.5,62.236 72.375,62.361
+5V0 on L1 (Sig) "+5V0_L01_P035" (solid, pour order 35): 74.025,60 72.725,60 72.425,60.3 69.85,60.3 69.625,60.075 69.625,57.75 69.8,57.575 73.3,57.575 74.025,58.3 74.025,59.025
GND on L1 (Sig) "GND_L01_P034" (solid, pour order 34): 74.775,57.125 74.725,57.175 74.725,57.675 74.725,58.725 74.25,58.725 74.25,60.475 76,60.475 76,58.725 75.525,58.725 75.525,57.175 75.475,57.125
GND on L1 (Sig) "GND_L01_P032" (solid, pour order 32): 80.525,56.8 80.45,56.725 80.45,55.45 80.525,55.375 82.95,55.375 83.05,55.475 83.05,56.675 82.925,56.8
+1V2 on L1 (Sig) "+1V2_L01_P031" (solid, pour order 31): 79.95,57.65 82.925,57.65 83.05,57.775 83.05,60.625 82.625,61.05 79.95,61.05
B3_SW on L1 (Sig) "B3_SW_L01_P030" (solid, pour order 30): 76.225,59.5 77.475,59.5 77.85,59.875 77.85,61.05 78.85,61.05 78.85,57.65 77.85,57.65 77.85,58.325 77.475,58.7 76.225,58.7
ETH_REG_OUT on L1 (Sig) "ETH_REG_OUT_L01_P000" (solid, pour order 0): 121.75,92.975 122,92.725 122.25,92.725 122.375,92.6 122.375,91.65 122.4,91.625 122.95,91.625 122.975,91.65 122.975,93.375 122.75,93.6 122.175,93.6 121.95,93.825 121.775,93.825 121.75,93.8
GND on L1 (Sig) "GND_L01_P025" (solid, pour order 25): 121.25,61.936 123.2,61.936 123.325,61.811 123.325,60.686 123.2,60.561 121.25,60.561
+3V3 on L1 (Sig) "+3V3_L01_P024" (solid, pour order 24): 121.25,59.65 123.2,59.65 123.325,59.525 123.325,58.4 123.2,58.275 121.25,58.275
+3V3 on L1 (Sig) "+3V3_L01_P023" (solid, pour order 23): 120.161,59.45 120.161,57.5 119.936,57.275 119.011,57.275 118.786,57.5 118.786,59.45
GND on L1 (Sig) "GND_L01_P022" (solid, pour order 22): 117.875,59.45 117.875,57.5 117.625,57.25 116.75,57.25 116.5,57.5 116.5,59.45
GND on L1 (Sig) "GND_L01_P021" (solid, pour order 21): 115.861,59.45 115.861,57.5 115.761,57.4 114.586,57.4 114.486,57.5 114.486,59.45
+3V3 on L1 (Sig) "+3V3_L01_P020" (solid, pour order 20): 113.575,59.45 113.575,57.5 113.475,57.4 112.3,57.4 112.2,57.5 112.2,59.45
GND on L1 (Sig) "GND_L01_P019" (solid, pour order 19): 103.5,88.9 103.5,90.85 103.6,90.95 104.775,90.95 104.875,90.85 104.875,88.9
+1V8 on L1 (Sig) "+1V8_L01_P018" (solid, pour order 18): 101.214,88.9 101.214,90.85 101.314,90.95 102.489,90.95 102.589,90.85 102.589,88.9
GND on L1 (Sig) "GND_L01_P017" (solid, pour order 17): 99.35,88.9 99.35,90.85 99.45,90.95 100.625,90.95 100.725,90.85 100.725,88.9
+1V8 on L1 (Sig) "+1V8_L01_P016" (solid, pour order 16): 97.064,88.9 97.064,90.85 97.164,90.95 98.339,90.95 98.439,90.85 98.439,88.9
+1V8 on L1 (Sig) "+1V8_L01_P015" (solid, pour order 15): 95.125,88.9 95.125,90.85 95.225,90.95 96.4,90.95 96.5,90.85 96.5,88.9
GND on L1 (Sig) "GND_L01_P014" (solid, pour order 14): 92.839,88.9 92.839,90.85 92.939,90.95 94.114,90.95 94.214,90.85 94.214,88.9
+1V8 on L1 (Sig) "+1V8_L01_P013" (solid, pour order 13): 91.825,82.039 89.875,82.039 89.775,82.139 89.775,83.314 89.875,83.414 91.825,83.414
GND on L1 (Sig) "GND_L01_P012" (solid, pour order 12): 91.825,84.325 89.875,84.325 89.775,84.425 89.775,85.6 89.875,85.7 91.825,85.7
+1V8 on L1 (Sig) "+1V8_L01_P011" (solid, pour order 11): 91.8,86.389 89.85,86.389 89.75,86.489 89.75,87.664 89.85,87.764 91.8,87.764
GND on L1 (Sig) "GND_L01_P010" (solid, pour order 10): 91.8,88.675 89.85,88.675 89.75,88.775 89.75,89.95 89.85,90.05 91.8,90.05
+3V3 on L10 (Sig) "+3V3_L10_P028" (solid, pour order 28): 121.4,93.3 121.375,93.275 121.375,93.025 121.575,92.825 121.575,92.25 121.7,92.125 122.7,92.125 122.925,92.35 122.925,93.45 122.9,93.475 122.05,93.475 121.875,93.3
+5V0 on L10 (Sig) "+5V0_L10_P027" (solid, pour order 27): 78.325,105.05 78.45,104.925 79.8,104.925 79.925,105.05 79.925,108.475 79.725,108.675 78.525,108.675 78.325,108.475 78.325,107.675
+5V0 on L10 (Sig) "+5V0_L10_P008" (solid, pour order 8): 153.275,101.925 153.275,107.925 150.675,107.925 150.675,101.925
+5V0 on L10 (Sig) "+5V0_L10_P007" (solid, pour order 7): 153.275,40.525 153.275,46.525 151.675,46.525 151.675,40.525
+5V0 on L10 (Sig) "+5V0_L10_P006" (solid, pour order 6): 79.925,40.525 79.925,46.525 78.325,46.525 78.325,40.525
no net on Top Solder "NONET_L01_P110" (solid, pour order 110): 75.1,39.525 68.6,39.525 68.6,46.025 75.1,46.025
GND on L2 (GND) "GND_L02_P002" (solid, pour order 2): 68.6,108.925 163,108.925 163,39.525 68.6,39.525
GND on L8 (GND) "GND_L08_P003" (solid, pour order 3): 68.6,108.925 163,108.925 163,39.525 68.6,39.525
GND on L6 (GND) "GND_L06_P004" (solid, pour order 4): 68.6,108.925 163,108.925 163,39.525 68.6,39.525
GND on L4 (GND) "GND_L04_P005" (solid, pour order 5): 68.6,108.925 163,108.925 163,39.525 68.6,39.525
GND on L3 (Sig) "GND_L03_P105" (solid, pour order 105): 68.6,39.525 163,39.525 163,108.925 68.6,108.925
GND on L5 (Sig) "GND_L05_P106" (solid, pour order 106): 68.6,39.525 163,39.525 163,108.925 68.6,108.925
GND on L7 (Sig) "GND_L07_P107" (solid, pour order 107): 68.6,39.525 163,39.525 163,108.925 68.6,108.925

## Other copper
L1 (Sig):
  text "SOC-Module.XC7Z030" at 82.478,106.178 h1
  text "FLASH" at 136.003,88.003 h1
  text "SYS-PG" at 81.103,73.803 h1
  text "JTAG" at 77.272,67.028 h1 r90
  text "DDR3" at 124.428,62.928 h1
  text "DONE" at 82.153,62.853 h1
  text "SOC" at 97.003,58.503 h1
L3 (Sig):
  pour cut-out: 149.925,49.9 150.375,50.35 150.375,53.6 151.325,54.55 151.325,57.35 148.925,59.75 148.925,63.075 147.375,64.625 147.375,69.7 146.925,70.15 146.925,88.675 144.65,90.95 144.65,99.85 143.1,101.4 135.875,101.4 134.75,102.525 134.75,104.55 135.475,105.275 137,105.275 137.325,104.95 137.325,104.025 137.6,103.75 145.175,103.75 147,101.925 147,91.875 149.375,89.5 149.375,70.775 149.625,70.525 149.625,65.525 151.325,63.825 151.325,59.925 153,58.25 153,53.5 151.875,52.375 151.875,49.575 150.75,48.45 149.975,48.45 149.125,49.3 149.125,49.775 149.25,49.9
  pour cut-out: 137.425,40.55 137.15,40.275 129.175,40.275 128.5,40.95 128.5,44.3 127.575,45.225 123.275,45.225 118.5,50 115.1,50 114.6,49.5 114.6,41.75 113.75,40.9 110,40.9 109.375,40.275 109.375,39.775 109.625,39.525 81.05,39.525 81.25,39.725 81.25,46.45 87.025,52.225 87.025,67.25 93.575,73.8 99.125,73.8 99.525,73.4 99.525,63.275 100.25,62.55 101.725,62.55 102.2,63.025 102.2,64.2 102.775,64.775 105.175,64.775 105.7,65.3 105.7,66.675 104.825,67.55 104.825,68.65 105.2,69.025 110.725,69.025 111.325,69.625 111.325,71.5 109.8,73.025 109.8,76.275 109.125,76.95 107.85,76.95 106.85,77.95 106.85,85.575 105.575,86.85 104.25,86.85 103.425,86.025 103.425,84.35 102.875,83.8 98.2,83.8 97.625,83.225 97.625,81.8 96.975,81.15 92,81.15 90.35,82.8 90.425,82.875 90.425,92.35 85.55,97.225 84.075,97.225 80.75,100.55 80.75,105.525 81.525,106.3 104.25,106.3 105.15,105.4 105.15,99.975 107.725,97.4 111.975,97.4 112.575,98 115.575,98 115.95,97.625 115.95,89.775 116.55,89.175 142.325,89.175 144,87.5 144,65.075 141.95,63.025 132.825,63.025 132.375,62.575 132.375,61.525 132.875,61.025 139.725,61.025 148.25,52.5 148.25,51.05 151.75,47.55 151.75,43.5 151.025,42.775 138.375,42.775 137.425,41.825
  pour cut-out: 80.575,94.325 80.9,94 80.9,82.875 78.65,80.625 78.65,67.125 74.75,63.225 74.75,55.8 75.55,55 75.55,53.8 75.05,53.3 73.8,53.3 72.825,54.275 72.825,63.75 76.75,67.675 76.75,82.125 79.025,84.4 79.025,94 79.35,94.325
L5 (Sig):
  pour cut-out: 81.138,108.663 81.138,108.837 81.05,108.925 98.775,108.925 98.6,108.75 98.6,108.475 99.2,107.875 99.2,102.575 102.225,99.55 104.15,99.55 107.525,102.925 113.425,102.925 119.162,108.663 119.162,108.837 119.075,108.925 123.5,108.925 123.4,108.825 123.4,108.625 123.775,108.25 123.775,103.8 121.65,101.675 121.65,99.6 126.325,94.925 126.325,94.35 125.825,93.85 124.65,93.85 122.85,95.65 120.325,95.65 119.6,94.925 119.6,91.375 121,89.975 131.675,89.975 132.975,91.275 132.975,95.575 134.325,96.925 138.525,96.925 140.4,95.05 140.4,88.55 136.175,84.325 136.175,83.475 137.225,82.425 140.6,82.425 144.025,79 144.025,66.15 142.575,64.7 130.125,64.7 129.875,64.45 129.875,63.625 132.475,61.025 140.325,61.025 152.1,49.25 152.1,40.15 152.725,39.525 145.1,39.525 145.45,39.875 145.45,47.75 140.45,52.75 138.725,52.75 138.325,52.35 138.325,47 137.1,45.775 130.9,45.775 130,44.875 130,43.35 129.175,42.525 121.975,42.525 120.675,43.825 120.675,45.75 119.8,46.625 115.475,46.625 114.25,45.4 114.25,42.275 111.9,39.925 111.9,39.625 112,39.525 93.175,39.525 93.55,39.9 93.55,42.175 92.15,43.575 92.15,58.225 93.125,59.2 96.55,59.2 98.35,61 98.35,65.925 97.675,66.6 92.525,66.6 91.775,67.35 81.625,67.35 81.3,67.675 81.3,68.825 81.725,69.25 89.475,69.25 89.775,69.55 89.775,70.275 86.8,73.25 78.875,73.25 78,74.125 78,78.775 78.075,78.85 83.225,78.85 84.3,77.775 89.7,77.775 94.575,72.9 103.9,72.9 105.1,74.1 105.1,84.075 104.775,84.4 103.45,84.4 102.925,83.875 102.925,82.75 102.225,82.05 101.075,82.05 100.2,82.925 96.475,82.925 95.875,83.525 95.875,84.4 95.425,84.85 93.05,84.85 90.3,87.6 90.3,92.1 80.6,101.8 80.6,108.125
L7 (Sig):
  pour cut-out: 109.262,93.087 109.262,92.512 109.125,92.375 107.625,92.375 107.025,92.975 107.025,95.35 108.825,97.15 108.825,98.65 110.075,99.9 110.7,99.9 111.375,100.575 111.375,108.525 111.775,108.925 98.55,108.925 99,108.475 99,106.925 97.925,105.85 97.925,102.75 97.4,102.225 94,102.225 92.85,101.075 92.85,95.275 92.075,94.5 90.775,94.5 82.725,102.55 78.1,102.55 77.525,101.975 77.525,98.5 79.45,96.575 84.9,96.575 91.55,89.925 91.55,81.5 93.425,79.625 100.375,79.625 101.1,78.9 102.925,78.9 104.45,80.425 104.45,85.975 105.125,86.65 107.925,86.65 108.95,85.625 108.95,78.7 110.1,77.55 116.8,77.55 118.1,76.25 118.1,75.125 117.525,74.55 116.225,74.55 114.85,73.175 114.85,69.9 116.875,67.875 116.875,66.45 116.15,65.725 113.45,65.725 111.45,67.725 105.275,67.725 104.95,67.4 101.55,67.4 99.45,65.3 99.45,53.975 102.575,50.85 102.575,48.9 101.85,48.175 99.325,48.175 98.05,46.9 98.05,39.725 97.85,39.525 102.3,39.525 101.925,39.9 101.925,45.375 102.45,45.9 108.475,45.9 109.425,46.85 109.425,49.1 110.325,50 118.4,50 122.425,45.975 126.525,45.975 127.5,45 127.5,40.05 126.975,39.525 146.7,39.525 146.35,39.875 146.35,57.4 142.85,60.9 132.325,60.9 130.625,62.6 130.625,66.65 131.725,67.75 137.425,67.75 140.85,64.325 143,64.325 143.65,64.975 143.65,80.775 138.25,86.175 125.2,86.175 123.325,88.05 123.325,92.025 122.25,93.1 118.625,93.1 117.25,94.475 117.25,98.75 115.925,100.075 113.1,100.075 112.3,99.275 112.3,97.175 111.55,96.425 109.775,96.425 108.9,95.55 108.9,93.45
  pour cut-out: 77.65,65.275 78.225,64.7 78.225,62.975 79.275,61.925 81.75,61.925 82.55,61.125 82.55,59.775 81.875,59.1 77.65,59.1 75.525,61.225 75.525,64.9 75.9,65.275

## Silkscreen, mask and mechanical layers (free items; w line width, h text height)
Top Solder:
  text "SOC-Module.XC7Z030" at 82.478,106.178 h1
  text "FLASH" at 136.003,88.003 h1
  text "SYS-PG" at 81.103,73.803 h1
  text "JTAG" at 77.272,67.028 h1 r90
  text "DDR3" at 124.428,62.928 h1
  text "DONE" at 82.153,62.853 h1
  text "SOC" at 97.003,58.503 h1
Mechanical 1:
  the board outline again, w0.254

## Text inside footprints (layer, text, board x,y; h text height)
D1: Mechanical 13 "+" at 83.542,71.817 h0.5 r90
D2: Mechanical 13 "+" at 83.542,67.792 h0.5 r90
D4: Mechanical 13 "+" at 129.858,95.042 h0.5 r180